# Altium PCB Copy of GameBoard_V1I1_083018.PcbDoc (part 20 of 21) (continued)
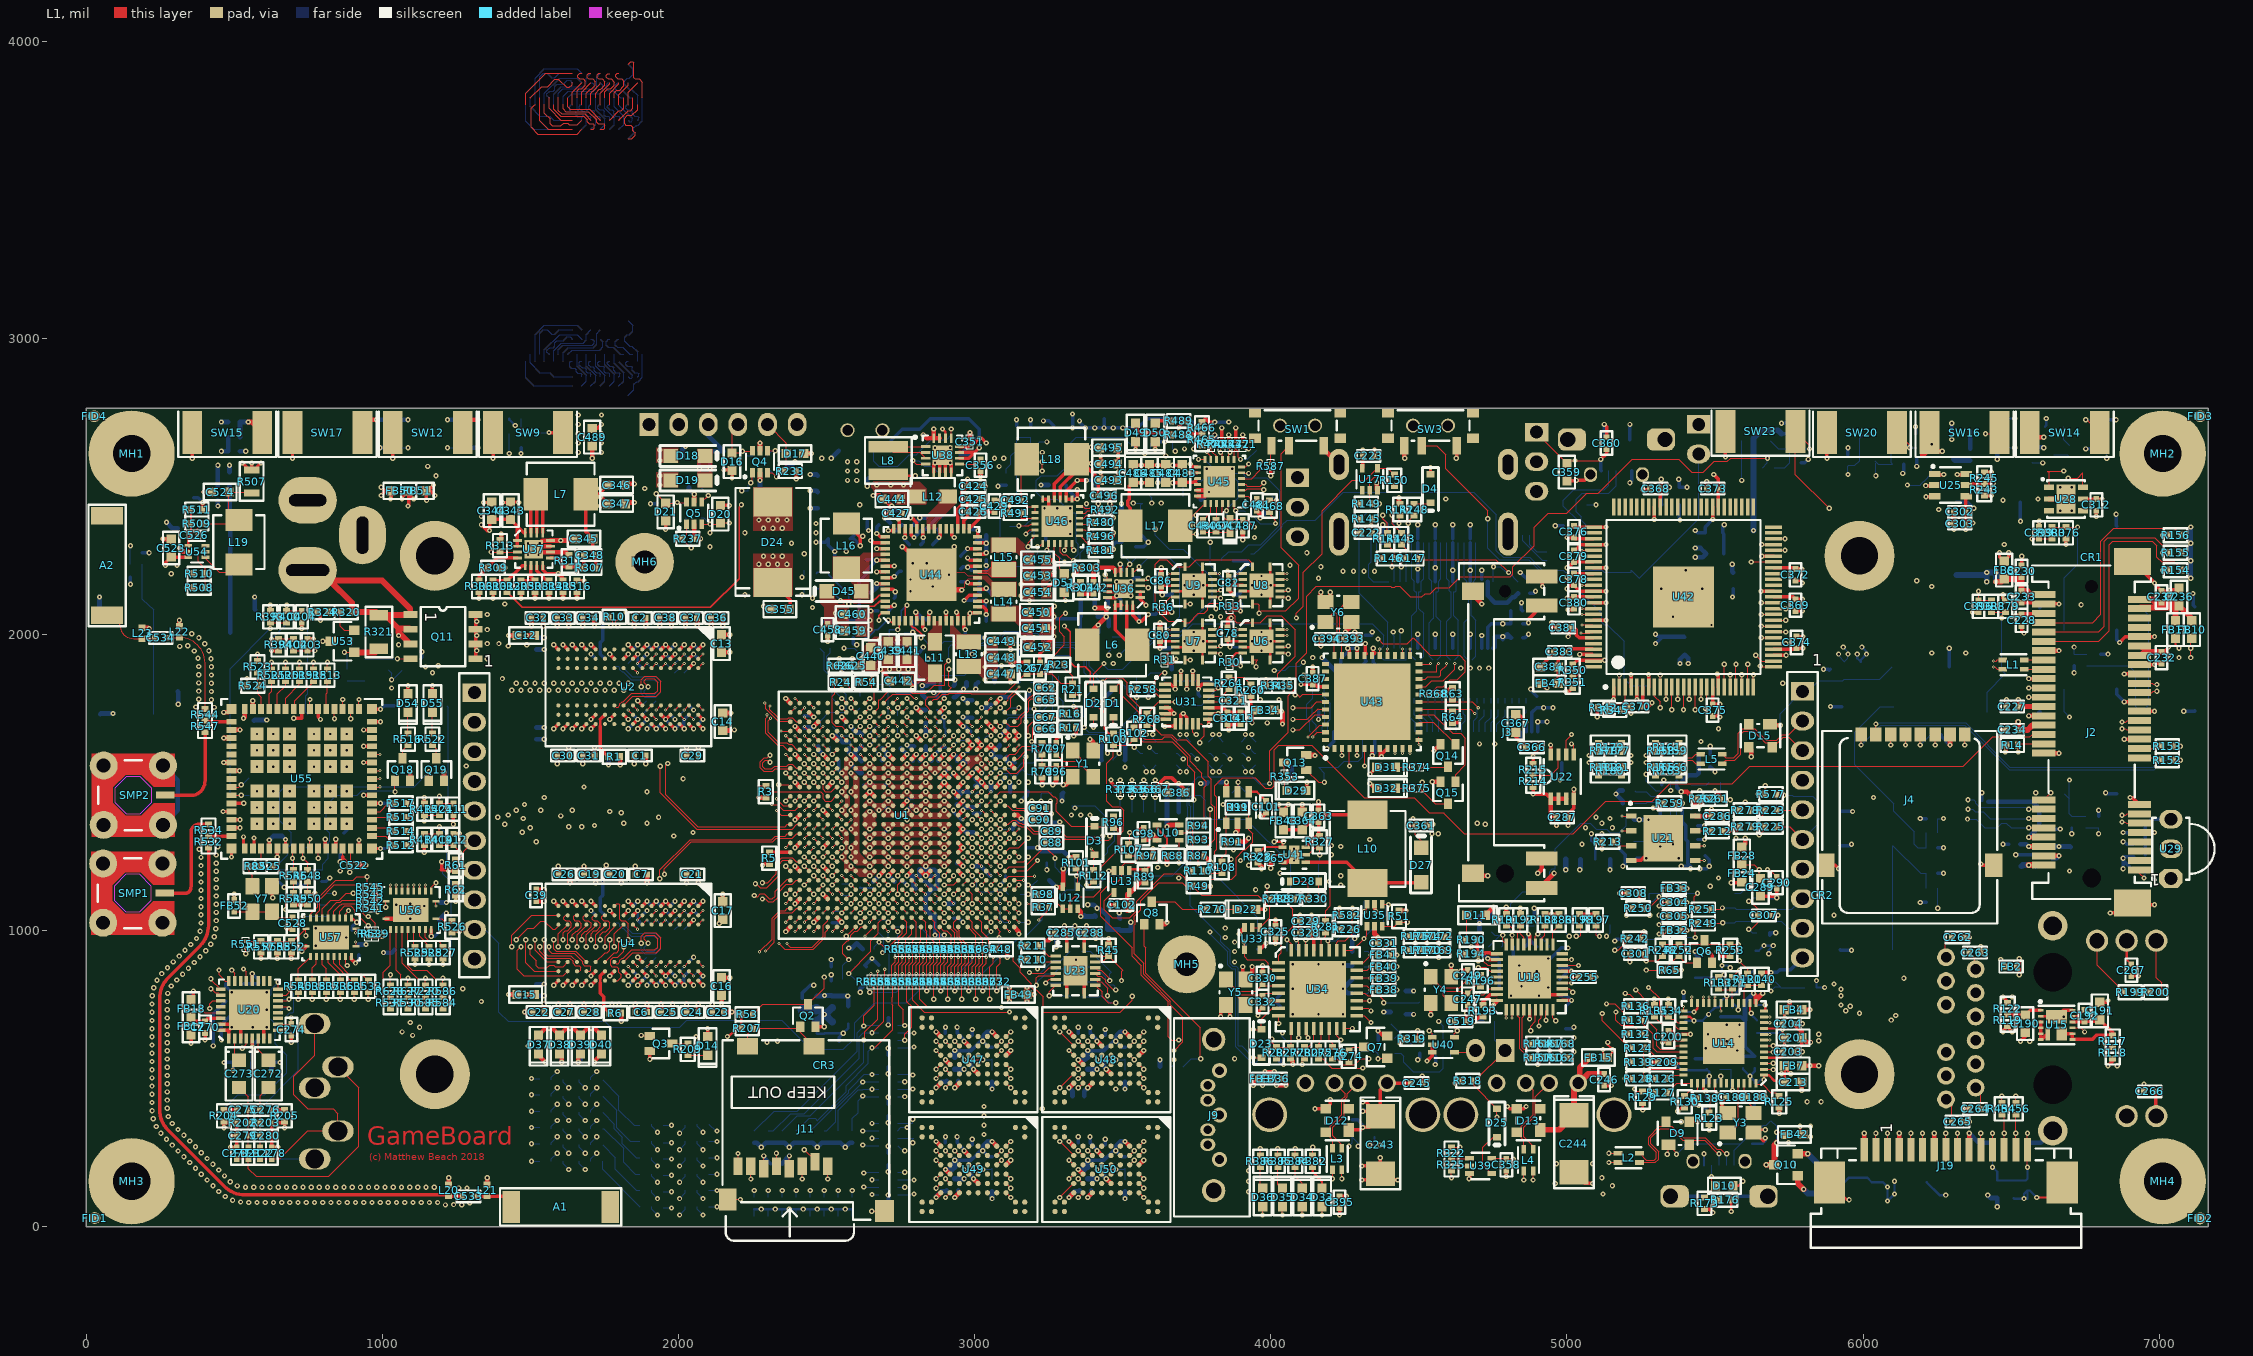
[diagram p0: L1 view]
## Nets (pads, with @x,y where several pads share a name; then routed paths per layer and width w, separated by ;. In a path a pad name is that pad's centre, name@x,y a point inside that pad or via, vN(x,y) a via of type N, cw(c..) or ccw(c..) an arc to the next point about the centre after c; other vN are vias at no path point) (continued)
  L12 w3.94: v1(1220.47,2629.92) C401.1@1251.97,2629.92 R401.1@1251.97,2673.23
USER_BTN_3_R: R399.1 R401.2 SW12.2 | length 177.2
  L1 w15.75: SW12.2@1271.65,2681.1 1271.65,2724.41 v1(1322.83,2724.41)
  L12 w15.75: R401.2@1291.34,2673.23 R399.1@1291.34,2724.41 v1(1322.83,2724.41)
USER_LED: Q17.1 U1.D19 | length 4647.4
  L1 w3.66: U1.D19@3039.37,1200.79 v3(3055.12,1185.04)
  L3 w3.94: v4(3066.93,1196.85) 3084.3,1196.85 3089.22,1201.77 3129.39,1201.77 3144.15,1216.54 3220.35,1216.54 3230.9,1227.09 3259.91,1227.09 3261.6,1225.39 3261.92,1225.39 3269.52,1217.8 3283.53,1217.8 3290.14,1224.41 3537.4,1224.41 3563.98,1197.83 3646.65,1197.83 3666.36,1217.54 3666.36,1236.49 3692.98,1263.1 3804.19,1263.1 3808.8,1258.49 3808.8,1239.64 3810.04,1238.4 3824.59,1238.4 3824.65,1238.35 3824.65,1228.54 3870.27,1182.91 3936.72,1182.91 3950.48,1169.15 4008.29,1169.15 4032.69,1144.76 4077.31,1144.76 4097.77,1165.22 4172.82,1165.22 4187.45,1150.59 4202.97,1150.59 4209.82,1157.44 4212.56,1157.44 4224.41,1169.29 4742.35,1169.29 4755.15,1156.5 5126.74,1156.5 5147.13,1176.89 5443.42,1176.89 5451.15,1169.15 5459.16,1177.17 v1(5511.81,1177.17)
  L10 w3.94: v1(5511.81,1177.17) 5625.98,1177.17 5653.54,1149.61 5881.89,1149.61 5933.07,1200.79 5933.07,1784.34 6141.59,1992.86 6141.59,2172.41 6158.46,2189.29 6158.46,2190.48 6171.73,2203.74 6172.92,2203.74 6173.23,2204.05 6173.23,2480.31 v1(6149.61,2503.94)
  L2 w3.94: v3(3055.12,1185.04) v4(3066.93,1196.85)
  L12 w3.94: v1(6149.61,2503.94) 6192.91,2503.94 6196.85,2507.87 6196.85,2508.08 6205.5,2516.73 6205.71,2516.73 6230.31,2541.34 Q17.1@6230.31,2564.96
USER_LED_1: R382.2 U1.N19 U34.30 | length 2849.3
  L1 w3.66: v2(2740.16,1185.04) U1.N19@2755.91,1200.79 ; v1(4118.11,968.5) 4118.11,935.04 U34.30@4120.08,933.07 ; R382.2@4141.73,232.28 R382.2@4141.73,240.16 v1(4141.73,267.72)
  L3 w3.66: v2(2740.16,1185.04) 2740.16,1192.91 2757.03,1209.78 2757.03,1222.59 2766.72,1232.28 2791.34,1232.28 2822.83,1263.78 2854.33,1263.78 2885.83,1295.28 2905.51,1295.28 2937.01,1263.78 3000,1263.78 3007.87,1271.65 3007.87,1287.4 3015.75,1295.28 3344.14,1295.28 3375.36,1264.06 3523.86,1264.06 3540.57,1247.34 3546.9,1247.34 3550.15,1244.09 3613.9,1244.09 3648.24,1278.44 3810.54,1278.44 3824.14,1264.84 3824.14,1258.18 3828.59,1253.73 3830.94,1253.73 3839.98,1244.7 3839.98,1234.89 3876.62,1198.25 3943.07,1198.25 3954.88,1186.44 4007.83,1186.44 4009.21,1187.81 4011.31,1187.81 4021.96,1177.17 4088.03,1177.17 4091.42,1180.55 4128.86,1180.55 4133.34,1185.04 v1(4236.22,1185.04)
  L10 w3.66: 4133.86,255.91 4141.73,263.78 v1(4141.73,267.72) 4141.73,326.77 4110.24,358.27 4110.24,401.57 4070.59,441.22 4070.59,532.62 4068.74,532.62 4060.18,541.19 4060.18,553.3 4068.74,561.87 4070.59,561.87 4070.59,577.95 4057.93,590.61 4057.93,644.55 4118.11,704.72 v1(4118.11,968.5) 4118.11,1005.94 4141.13,1028.96 4147,1028.96 4160.02,1041.98 4160.02,1047.85 4259.84,1147.67 4259.84,1161.42 v1(4236.22,1185.04)
USER_LED_2: R285.2 R384.2 U1.N20 | length 3021.6
  L1 w3.66: R384.2@4082.68,232.28 R384.2@4082.68,240.16 v1(4082.68,263.78)
  L1 w3.94: v2(2740.16,1122.05) 2740.16,1153.54 U1.N20@2755.91,1169.29
  L3 w3.94: v2(2740.16,1122.05) 2755.91,1137.8 2755.91,1155.48 2756.89,1156.46 2756.89,1168.31 2775.8,1168.31 2808.28,1200.79 2902.77,1200.79 2912.4,1191.15 2912.4,1178.15 2921.26,1169.29 3078.62,1169.29 3095.63,1186.3 3135.79,1186.3 3149.69,1200.2 3227.74,1200.2 3246.84,1181.1 3299.21,1181.1 3311.02,1169.29 3361.69,1169.29 3368.58,1176.18 3527.02,1176.18 3528.72,1174.49 3661.33,1174.49 3678.77,1191.93 3695.09,1191.93 3701,1186.02 3718.71,1186.02 3733.48,1200.79 3830.51,1200.79 3863.86,1167.44 3930.31,1167.44 3944.07,1153.68 3956.56,1153.68 3975.39,1134.84 4078.53,1134.84 4101.03,1157.34 4169.56,1157.34 4184.18,1142.72 4206.23,1142.72 4213.08,1149.57 4232.25,1149.57 v1(4236.22,1153.54)
  L10 w3.66: v1(4039.37,653.54) 4023.62,637.8 4023.62,614.17 4062.99,574.8 4062.99,566.86 4053.68,557.55 4049.37,561.87 4037.25,561.87 4028.68,553.3 4028.68,541.19 4037.25,532.62 4049.37,532.62 4053.68,536.93 4062.99,527.63 4062.99,508.87 4036.56,482.44 4036.56,451.63 4082.68,405.51 v1(4082.68,263.78) ; v1@4041.34,651.57 4098.43,708.66 4098.43,944.88 4101.24,947.7 4101.24,994.94 4110.51,1004.21 4110.51,1009.09 4137.98,1036.55 4143.85,1036.55 4152.42,1045.12 4152.42,1069.74 v1(4236.22,1153.54)
  L12 w3.66: v1(4039.37,653.54) 4039.37,641.73 4086.61,594.49 R285.2@4196.85,594.49
USER_LED_3: R286.2 R385.2 U1.T23 | length 2875.4
  L1 w3.66: U1.T23@2661.42,1074.8 v2(2677.16,1059.06) ; R385.2@4023.62,232.28 R385.2@4023.62,240.16 v1(4023.62,263.78)
  L3 w3.66: v2(2677.16,1059.06) 2677.16,1069.87 2662.54,1084.49 2662.54,1099.55 2669.29,1106.3 2685.04,1106.3 2724.41,1145.67 2724.41,1196.85 2748.03,1220.47 2748.03,1245.09 2765.6,1262.66 2790.22,1262.66 2822.83,1295.28 2861.21,1295.28 2892.7,1326.77 3263.78,1326.77 3283.46,1307.09 3343.07,1307.09 3370.91,1279.25 3483.41,1279.25 3491,1271.65 3527.01,1271.65 3542.76,1255.91 3610.24,1255.91 3640.37,1286.04 3813.69,1286.04 3847.58,1252.15 3847.58,1238.04 3879.77,1205.85 3946.22,1205.85 3958.03,1194.04 4004.68,1194.04 4011.43,1200.79 4023.62,1200.79 v1(4031.5,1192.91)
  L10 w3.66: v1(4023.62,263.78) 4002.84,263.78 3994.97,255.91 3917.32,333.55 3917.32,602.36 v1(3940.94,625.98) 3928.86,638.07 3928.86,648.82 3905.51,672.16 3905.51,693.91 3989.02,777.42 3994.42,777.42 4035.02,818.02 4035.02,880.37 3956.69,958.69 3956.69,1015.75 4027.56,1086.61 4027.56,1188.98 v1(4031.5,1192.91)
  L12 w3.66: v1(3940.94,625.98) R286.2@3968.5,625.98
USER_LED_4: R288.2 R386.2 U1.R23 | length 2710.1
  L1 w3.66: U1.R23@2692.91,1074.8 v2(2708.66,1059.06) ; R386.2@3964.57,232.28 R386.2@3964.57,240.16 v1(3964.57,263.78) ; v1(3988.19,1149.61) 3988.19,1118.11 R288.2@4000,1106.3
  L3 w3.66: v2(2708.66,1059.06) 2692.91,1074.8 2692.91,1095.49 2702.6,1105.18 2703.6,1105.18 2708.66,1110.24 2708.66,1119.18 2726.16,1136.67 2735.1,1136.67 2744.09,1145.67 2744.09,1168.29 2755.91,1180.1 2755.91,1189.98 2766.72,1200.79 2791.34,1200.79 2822.83,1232.28 2909.45,1232.28 2942.07,1199.67 2965.69,1199.67 3029.68,1199.67 3044.31,1185.04 3083.43,1185.04 3092.42,1194.04 3132.59,1194.04 3146.49,1207.93 3226.62,1207.93 3238.04,1219.35 3256.7,1219.35 3258.4,1217.66 3258.72,1217.66 3276.71,1199.67 3276.71,1198.67 3285.28,1190.1 3316.08,1190.1 3342.52,1216.54 3509.39,1216.54 3535.83,1190.1 3651.6,1190.1 3674.1,1212.6 3674.1,1233.28 ; 3675.22,1233.28 3675.22,1234.4 3684.91,1244.09 3772.96,1244.09 3772.96,1232.15 3795.05,1210.06 3832.18,1210.06 3867.07,1175.18 3933.51,1175.18 3947.27,1161.42 3976.38,1161.42 v1(3988.19,1149.61)
  L10 w3.66: v1(3964.57,263.78) 3956.69,263.78 3921.26,299.21 3921.26,318.87 3909.72,330.4 3909.72,605.51 3921.26,617.04 3921.26,645.67 3897.91,669.02 3897.91,697.06 3985.87,785.02 3991.28,785.02 4027.42,821.17 4027.42,877.22 4022.89,881.75 4016.48,881.75 3944.74,953.49 3944.74,1057.2 3956.56,1069.01 3956.56,1117.97 v1(3988.19,1149.61)
USER_LED_5: R387.2 U1.R20 | length 4455.8
  L1 w3.66: U1.R20@2692.91,1169.29 v2(2708.66,1153.54)
  L3 w3.66: v1(1102.36,645.67) 1153.54,645.67 1161.69,653.82 1164.56,653.82 1172.16,661.42 1307.09,661.42 1358.27,610.24 v1(1492.13,610.24)
  L10 w3.66: v1(1102.36,645.67) 1098.43,641.73 1003.94,641.73 920.14,725.53 920.14,773.77 917.32,776.59 917.32,846.46 937.01,866.14 937.01,910.38 993.13,966.5 993.94,965.69 1006.06,965.69 1014.63,974.26 1014.63,986.37 1013.81,987.19 1013.81,995.93 1059.06,1041.18 1059.06,1077.74 1061.87,1080.56 1061.87,1095.49 1059.06,1098.3 1059.06,1433.07 1094.17,1468.19 1094.17,1518.3 1096.68,1520.81 1100.55,1520.81 1200.79,1621.05 1200.79,1859.14 1224.27,1882.62 1224.27,1889.63 1244.09,1909.45 1341.52,1909.45 1348.27,1902.7 1371.2,1902.7 1401.57,1933.07 1488.19,1933.07 1511.81,1956.69 1527.56,1956.69 1544.43,1973.56 1553.3,1973.56 1561.87,1982.13 1561.87,1994.25 1559.06,1997.06 1583.68,1997.06 1607.7,2021.08 1607.7,2036.76 1620.72,2049.78 1636.4,2049.78 1735.53,2148.92 2155.86,2148.92 2178.49,2171.56 2271.2,2171.56 2317.62,2125.13 2317.62,2088.49 2481.02,1925.09 2481.02,1743.09 2486.52,1737.59 2486.52,1660.22 2509.63,1637.11 2544.93,1637.11 2565.33,1616.71 2591.88,1616.71 2621.98,1586.61 2657.49,1586.61 2692.91,1551.19 2692.91,1169.29 v2(2708.66,1153.54)
  L12 w3.66: v1(1492.13,610.24) 1511.81,629.92 R387.2@1527.56,629.92
USER_LED_6: R389.2 U1.R21 | length 4463.1
  L1 w3.66: v2(2677.17,1122.05) U1.R21@2692.91,1137.8
  L3 w3.66: v1(1125.98,673.23) 1137.8,673.23 1145.67,681.1 1330.71,681.1 1386.95,624.86 1498.18,624.86 1512.81,610.24 v1(1562.99,610.24)
  L10 w3.66: v1(1125.98,673.23) 1035.43,673.23 1031.5,669.29 947.7,753.09 946.7,753.09 937.01,762.78 937.01,844.65 952.2,859.85 952.2,873.46 956.69,877.95 956.69,908.58 998.61,950.49 1012.35,950.49 1034.16,972.3 1037.1,972.3 1049.05,984.25 1070.87,984.25 1112.07,1025.45 1112.07,1105.88 1110.24,1107.71 1110.24,1377.95 1170.41,1438.13 1170.41,1462.08 1183.59,1475.26 1183.92,1475.26 1224.27,1515.61 1224.27,1846.32 1260.12,1882.17 1409.72,1882.17 1437.01,1909.45 1637.8,1909.45 1657.48,1929.13 1657.48,2047.24 1743.96,2133.72 2162.15,2133.72 2184.79,2156.36 2264.9,2156.36 2302.42,2118.84 2302.42,2081.66 2465.82,1918.27 2465.82,1736.8 2471.32,1731.3 2471.32,1653.92 2503.33,1621.91 2538.64,1621.91 2560.45,1600.09 2560.45,1564.53 2578.29,1546.69 2591.1,1546.69 2629.92,1507.87 2629.92,1179.91 2654.99,1154.84 2654.99,1144.55 2668.17,1131.37 2668.17,1131.04 v2(2677.17,1122.05)
  L12 w3.66: v1(1562.99,610.24) 1582.68,629.92 R389.2@1598.43,629.92
USER_LED_7: R390.2 U1.U22 | length 4505.9
  L1 w3.94: U1.U22@2629.92,1106.3 v2(2645.67,1090.55)
  L3 w3.66: v1(1094.49,688.98) 1114.17,688.98 1122.05,696.85 1371.14,696.85 1435.53,632.46 1507.87,632.46 1514.35,625.98 1586.61,625.98 1602.36,610.24 v1(1633.86,610.24)
  L10 w3.94: v1(1094.49,688.98) 1043.31,688.98 967.52,764.76 967.52,773.83 960.63,780.72 960.63,870.95 964.43,874.75 964.43,905.37 1001.81,942.76 1015.56,942.76 1037.37,964.57 1062.93,964.57 1102,1003.64 1103.67,1003.64 1134.55,1034.52 1134.55,1068.98 1126.97,1076.56 1126.97,1088.79 1134.55,1096.37 1134.55,1168.6 1125.98,1177.17 1125.98,1382.76 1178.15,1434.93 1178.15,1458.87 1186.8,1467.52 1187.12,1467.52 1232.01,1512.41 1232.01,1838.31 1263.78,1870.08 1417.32,1870.08 1444.88,1897.64 1645.67,1897.64 1688.98,1940.94 1688.98,1972.44 1696.85,1980.31 1696.85,2051.18 1771.65,2125.98 2165.35,2125.98 2187.99,2148.62 2233.27,2148.62 2270.67,2111.22 2270.67,2082.31 2278.17,2074.8 2298.34,2074.8 2458.08,1915.06 2458.08,1761.1 2441.93,1744.95 2441.93,1672.37 2500.13,1614.17 2535.43,1614.17 2552.72,1596.89 2552.72,1561.33 2566.93,1547.12 2566.93,1519.68 2622.19,1464.43 2622.19,1166.41 2660.43,1128.16 2660.43,1108.58 2652.56,1100.7 2652.56,1097.44 v2(2645.67,1090.55)
  L12 w3.66: v1(1633.86,610.24) 1653.54,629.92 R390.2@1669.29,629.92
USER_LED_8: R391.2 U1.T20 | length 4655.6
  L1 w3.66: U1.T20@2661.42,1169.29 v2(2677.16,1153.54)
  L3 w3.66: v1(1066.93,657.48) 1066.93,685.04 1098.43,716.54 1362.2,716.54 1438.68,640.06 1513.05,640.06 1515.31,637.8 1677.17,637.8 v1(1704.72,610.24)
  L10 w3.66: v1(1066.93,657.48) 1011.81,657.48 927.74,741.55 927.74,776.92 925.2,779.46 925.2,843.59 944.61,862.99 944.61,907.24 995.46,958.09 1009.21,958.09 1031.02,979.9 1033.95,979.9 1074.53,1020.47 1074.53,1052.2 1066.93,1059.8 1066.93,1074.87 1080.85,1088.79 1080.85,1105.88 1086.61,1111.64 1086.61,1174.1 1101.77,1189.26 1101.77,1511.29 1208.39,1617.9 1208.39,1850.12 1248.03,1889.76 1405.51,1889.76 1437.01,1921.26 1555.12,1921.26 1583.8,1949.94 1584.8,1949.94 1593.37,1958.51 1593.37,1970.63 1590.55,1973.44 1590.55,1988.19 1615.3,2012.93 1615.3,2033.62 1623.86,2042.18 1639.54,2042.18 1738.68,2141.32 2159,2141.32 2181.64,2163.96 2268.05,2163.96 2310.02,2121.98 2310.02,2084.81 2473.42,1921.41 2473.42,1739.94 2478.92,1734.45 2478.92,1657.07 2506.48,1629.51 2541.78,1629.51 2568.05,1603.24 2568.05,1588.43 2576.62,1579.86 2608.11,1579.86 2641.86,1546.12 2651.73,1546.12 2662.54,1535.31 2662.54,1399.45 2665.35,1396.64 2665.35,1202.48 2662.54,1199.67 2662.54,1178.98 2677.16,1164.36 v2(2677.16,1153.54)
  L12 w3.66: v1(1704.72,610.24) 1724.41,629.92 R391.2@1740.16,629.92
USER_LED_CPU_D: D42.1 R413.1 | length 59.1
  L12 w15.75: R413.1@6362.2,2625.98 6362.2,2673.23 D42.1@6362.2,2685.04
USER_LED_CPU_Q: Q17.3 R413.2 | length 58.7
  L12 w15.75: Q17.3@6305.12,2590.55 6309.06,2586.61 R413.2@6362.2,2586.61
USER_LED_D_1: D33.1 R382.1 | length 80
  L1 w7.87: R382.1@4141.73,192.91 4141.73,184.17 4173.23,152.68 D33.1@4173.23,125.98
USER_LED_D_2: D34.1 R384.1 | length 76.7
  L1 w3.94: R384.1@4082.68,192.91 4082.68,170.24 4106.3,146.61 D34.1@4106.3,125.98
USER_LED_D_3: D35.1 R385.1 | length 73.5
  L1 w3.94: R385.1@4023.62,192.91 4023.62,141.73 D35.1@4039.37,125.98
USER_LED_D_4: D36.1 R386.1 | length 70.2
  L1 w3.94: R386.1@3964.57,192.91 3964.57,133.86 D36.1@3972.44,125.98
USER_LED_D_5: D37.1 R387.1 | length 82.6
  L1 w15.75: D37.1@1527.56,582.68 1527.56,578.74 v1(1551.18,555.12)
  L12 w15.75: R387.1@1527.56,590.55 1527.56,578.74 v1(1551.18,555.12)
USER_LED_D_6: D38.1 R389.1 | length 69.5
  L1 w15.75: D38.1@1598.43,582.68 1606.3,574.8 v1(1606.3,555.12)
  L12 w3.94: R389.1@1598.43,590.55 1598.43,562.99 v1(1606.3,555.12)
USER_LED_D_7: D39.1 R390.1 | length 69.5
  L1 w15.75: v1(1661.42,555.12) 1661.42,574.8 D39.1@1669.29,582.68
  L12 w15.75: v1(1661.42,555.12) 1669.29,562.99 R390.1@1669.29,590.55
USER_LED_D_8: D40.1 R391.1 | length 82.6
  L1 w11.81: v1(1716.54,555.12) 1716.54,559.06 D40.1@1740.16,582.68
  L12 w3.94: v1(1716.54,555.12) 1740.16,578.74 R391.1@1740.16,590.55
USER_LED_MCU: Q8.1 R273.1 U34.3 | length 1042.3
  L1 w3.66: Q8.1@3572.83,1021.65 3572.83,947.16 3578.74,941.26 3578.74,855.2 3761.95,671.99 3761.95,568.76 v1(3763.78,566.93) ; v1(3996.06,838.58) 4025.59,838.58 U34.3@4026.57,839.57
  L10 w3.66: v1(3763.78,566.93) 3830.71,566.93 3877.95,614.17 3877.95,720.47 v1(3996.06,838.58)
  L12 w3.66: R273.1@3704.72,539.37 3732.28,566.93 v1(3763.78,566.93)
USER_LED_MCU_D: D22.1 R270.1 | length 63
  L1 w3.94: R270.1@3822.83,1070.87 D22.1@3885.83,1070.87
VBUS2: R468.1 R469.1 R493.2 U46.1 | length 1101.7
  L1 w3.94: v1(3212.6,2295.28) 3218.5,2295.28 U46.1@3230.32,2307.09 ; R468.1@3996.06,2405.51 4015.75,2385.83 v1(4015.75,2374.02)
  L3 w3.94: v1(3212.6,2295.28) 3228.35,2311.02 3408.89,2311.02 3446.5,2348.64 3453.74,2348.64 3475.18,2370.08 3727.15,2370.08 3741.92,2384.84 3943.12,2384.84 3969.7,2358.27 4000,2358.27 v1(4015.75,2374.02)
  L12 w3.94: R493.2@3208.66,2267.72 3212.6,2271.65 v1(3212.6,2295.28) ; R469.1@3929.13,2460.63 3937.01,2452.76 3937.01,2401.57 3964.57,2374.02 v1(4015.75,2374.02)
VPP/MCLR: R368.1 TP56.1 U1.F17 U43.18 | length 2682.5
  L1 w3.66: U1.F17@2976.38,1263.78 v2(2992.13,1248.03) ; v1(4362.2,1984.25) 4377.95,1968.5 4460.63,1968.5 4480.31,1988.19 4539.37,1929.13 4637.8,1929.13 4657.48,1909.45 4657.48,1874.02 4629.92,1846.46 4606.3,1846.46 4582.68,1822.83 4562.99,1822.83 4535.43,1795.28 4501.97,1795.28 U43.18@4500,1797.24
  L10 w3.66: 2986.03,1296.4 2998.18,1296.4 3006.75,1304.97 3006.75,1380.77 3033.17,1407.19 3035.97,1407.19 3050.05,1421.26 3162.42,1421.26 3172.11,1430.95 3172.11,1435.76 3187.98,1451.63 3255.65,1451.63 3281.52,1477.5 3305.27,1477.5 3313.84,1486.07 3345.88,1486.07 3443.61,1583.8 3454.88,1583.8 3463.44,1592.37 3463.44,1597.3 3480.31,1614.17 3496.06,1614.17 3535.43,1574.8 3673.23,1574.8 3690.1,1557.93 3773.47,1557.93 3808.9,1593.37 3821.02,1593.37 3850.27,1564.11 3857.47,1564.11 3900.78,1520.81 3940.35,1520.81 3942.08,1520.81 3950.65,1529.37 3950.65,1533.33 3980.31,1562.99 3980.31,1685.04 3973.56,1691.79 3973.56,1713.72 3989.31,1729.47 3989.31,1762.1 3996.2,1768.99 3996.2,1837.72 3998.88,1840.4 3998.88,1852.51 3997.59,1853.8 3997.59,1863.74 v1(4011.81,1877.95) ; 2986.03,1296.43 2977.5,1287.9 2977.5,1273.47 2992.13,1258.84 v2(2992.13,1248.03) ; v1(4110.24,1905.51) 4110.24,1913.39 4137.8,1940.94 4250.97,1940.94 4253.78,1938.13 4265.9,1938.13 4268.72,1940.94 4282.47,1940.94 4285.28,1938.13 4352.51,1938.13 4374.02,1959.63 4362.2,1971.44 v1(4362.2,1984.25)
  L12 w3.66: v1(4011.81,1877.95) 4048.23,1877.95 TP56.1@4062.99,1892.72 4097.44,1892.72 v1(4110.24,1905.51)
WD_OUT: R94.1 U1.T2 | length 1833
  L1 w3.94: U1.T2@2661.42,1736.22 2677.17,1751.97 2677.17,1779.53 2681.1,1779.53 2708.92,1807.35 2782.01,1807.35 2789.16,1800.2 2835.63,1800.2 2862.98,1827.55 2898.41,1827.55 2898.62,1827.76 2898.62,1897.69 v1(2911.88,1910.95) ; v1(3433.07,1838.58) 3447.83,1853.35 3498.24,1853.35 3515.75,1835.84 3515.75,1795.28 3564.96,1746.06 3564.96,1655.3 3574.59,1645.67 3633.86,1645.67 3641.58,1653.39 3662.09,1653.39 3727.36,1588.12 3727.36,1570.73 3767.72,1530.37 3767.72,1516.94 3782.48,1502.18 3782.48,1489.95 3775.59,1483.06 R94.1@3775.59,1354.33
  L12 w3.94: v1(2911.88,1910.95) 2911.88,1955.19 2921.26,1964.57 2958.86,1964.57 2960.83,1962.6 3031.3,1962.6 3033.27,1964.57 3074.28,1964.57 3095.08,1985.36 3095.08,1992.84 3105.19,2002.95 3175.41,2002.95 3178.36,2000 3191.72,2000 3194.67,2002.95 3211.61,2002.95 3250.68,1963.89 3355.01,1963.89 3377.95,1940.94 3377.95,1885.83 3425.2,1838.58 v1(3433.07,1838.58)
WIFI_CLK: R538.1 R572.2 R573.2 | length 1412.9
  L1 w3.94: v1(763.78,767.72) R538.1@763.78,791.34
  L3 w3.66: v1(763.78,767.72) 775.87,779.8 775.87,782.67 792.13,798.94 795,798.94 807.09,811.02 905.51,811.02 929.13,787.4 929.13,763.78 937.28,755.63 944.16,755.63 945.16,754.63 945.16,697.13 1003.66,638.62 1003.66,409.72 1098.15,315.24 1240.43,315.24 1347.03,421.83 1347.03,453.39 1408.27,514.63 1544.43,514.63 v1(1590.55,468.5)
  L12 w3.66: R572.2@1570.87,440.94 1570.87,448.82 v1(1590.55,468.5)
WIFI_CMD: R540.1 R570.2 R571.2 | length 1447.1
  L1 w3.94: v1(716.54,767.72) R540.1@716.54,791.34
  L3 w3.66: v1(716.54,767.72) 724.41,759.84 750.97,759.84 757.72,753.09 769.84,753.09 783.46,766.72 783.46,779.53 795.28,791.34 811.02,791.34 938.11,664.25 938.11,471.66 980.87,428.91 980.87,379.53 1067.96,292.44 1088.71,292.44 1105.28,275.87 1243.3,275.87 1369.82,402.38 1369.82,418.4 1385.42,434 1439.02,434 1569.87,303.15 v1(1590.55,303.15)
  L12 w3.66: R570.2@1570.87,275.59 1570.87,283.46 v1(1590.55,303.15)
WIFI_DATA0: R537.1 R562.2 R563.2 | length 1343.4
  L1 w3.94: v1(811.02,767.72) R537.1@811.02,791.34
  L3 w3.66: v1(811.02,767.72) 930.51,648.23 930.51,468.52 973.27,425.76 973.27,361.38 1066.38,268.27 1246.45,268.27 1263.03,284.84 1273.03,284.84 1377.42,389.23 1377.42,415.25 1388.56,426.4 1566.93,248.03 v1(1590.55,248.03)
  L12 w3.66: R562.2@1570.87,220.47 1570.87,228.35 v1(1590.55,248.03)
WIFI_DATA1: R536.1 R564.2 R565.2 | length 1260.7
  L1 w3.94: v1(858.27,767.72) R536.1@858.27,791.34
  L3 w3.66: v1(858.27,767.72) 929.96,696.02 929.96,690.83 945.71,675.08 945.71,474.81 988.46,432.05 988.46,382.68 1071.1,300.04 1091.86,300.04 1108.43,283.46 1240.16,283.46 1362.22,405.53 1362.22,438.27 1365.54,441.59 1483.6,441.59 1566.93,358.27 v1(1590.55,358.27)
  L12 w3.66: R564.2@1570.87,330.71 1570.87,338.58 v1(1590.55,358.27)
WIFI_DATA2: R535.1 R566.2 R567.2 | length 1216.8
  L1 w3.94: v1(905.51,767.72) R535.1@905.51,791.34
  L3 w3.66: v1(905.51,767.72) 937.56,735.67 937.56,693.98 996.06,635.47 996.06,385.83 1074.25,307.64 1243.58,307.64 1354.63,418.68 1354.63,450.24 1376.83,472.44 1511.81,472.44 1570.87,413.39 v1(1590.55,413.39)
  L12 w3.66: R566.2@1570.87,385.83 1570.87,393.7 v1(1590.55,413.39)
WIFI_DATA3: R533.1 R568.2 R569.2 | length 1126.6
  L1 w3.94: v1(952.76,767.72) R533.1@952.76,791.34
  L3 w3.66: v1(952.76,767.72) 952.76,700.27 1011.26,641.77 1011.26,441.5 1129.92,322.83 1214.55,322.83 1339.43,447.72 1339.43,456.53 1406.52,523.62 v1(1590.55,523.62)
  L12 w3.66: R568.2@1570.87,496.06 1570.87,503.94 v1(1590.55,523.62)
WIFI_EXT_32K_CLK: R83.2 R525.2 U55.36 | length 60
  L1 w3.94: R83.2@590.55,1216.54 U55.36@590.55,1276.57
WIFI_IRQ: U1.W5 U57.18 | length 3008
  L1 w3.66: v3(2551.18,1657.48) U1.W5@2566.93,1641.73
  L1 w3.94: U57.18@875.98,911.42 875.98,887.8 v1(881.89,881.89)
  L3 w3.94: v1(1145.67,1889.76) 1169.29,1913.39 1322.83,1913.39 1346.46,1937.01 1361.33,1937.01 1378.94,1954.61 1378.94,1974.62 1395.69,1991.37 1401.59,1991.37 1421.05,2010.83 1428.32,2010.83 1464.87,2047.38 1952.16,2047.38 1968.05,2063.27 2157.71,2063.27 2177.67,2043.31 2347.33,2043.31 2362.2,2028.43 2373.15,2028.43 2377.95,2023.62 2380.93,2023.62 2401.57,2002.97 2401.57,1972.64 2535.43,1838.78 2535.43,1807.09 2527.56,1799.21 2527.56,1696.85 2543.31,1681.1 2543.31,1645.67 v4(2551.18,1637.8)
  L10 w3.94: v1(881.89,881.89) 881.89,924 943.12,985.24 965.39,985.24 983.27,1003.11 983.27,1025.38 1035.43,1077.55 1032.48,1080.5 1032.48,1092.73 1035.43,1095.68 1035.43,1120.31 1051.32,1136.19 1051.32,1436.28 1071.14,1456.1 1071.14,1468.5 1074.8,1472.17 1074.8,1664.68 1145.67,1735.54 1145.67,1855.01 1141.73,1858.94 1141.73,1885.83 v1(1145.67,1889.76)
  L2 w3.94: v4(2551.18,1637.8) v3(2551.18,1657.48)
WL_EN: Q19.1 R546.2 R553.1 R555.1 U55.40 | length 1026.7
  L1 w3.94: R546.2@700.79,1204.72 700.79,1240.16 v1(696.85,1244.09) 696.85,1272.64 U55.40@700.79,1276.57 ; Q19.1@1156.89,1505.96 1157.48,1506.56 v1(1157.48,1535.43)
  L12 w3.94: v1(696.85,1244.09) 696.85,1208.66 R553.1@700.79,1204.72 649.61,1204.72 649.61,1224.41 681.1,1255.91 681.1,1279.53 692.91,1291.34 692.91,1330.71 653.54,1370.08 653.54,1468.5 670.28,1485.24 1107.28,1485.24 v1(1157.48,1535.43)
WL_EN_D: Q19.3 R522.2 | length 50.7
  L1 w3.94: R522.2@1169.29,1625.98 1182.48,1612.8 Q19.3@1182.48,1580.77
WL_EN_LED: D55.1 R522.1 | length 70.9
  L1 w3.94: R522.1@1169.29,1665.35 D55.1@1169.29,1736.22
WL_IRQ: R523.2 U57.3 | length 1066.4
  L1 w3.94: R523.2@578.74,1909.45 v1(578.74,1933.07) ; U57.3@875.98,1041.34 875.98,1057.09 v1(885.83,1066.93)
  L10 w3.94: v1(578.74,1933.07) 578.74,1807.09 728.35,1657.48 728.35,1374.02 770.67,1331.69 770.67,1302.94 767.72,1299.99 767.72,1236.22 791.34,1212.6 791.34,1131.89 856.3,1066.93 v1(885.83,1066.93)
WL_RX: TP58.1 U55.26 | length 73.1
  L1 w3.94: U55.26@491.14,1484.25 515.75,1484.25 v1(523.62,1492.13)
  L12 w3.94: v1(523.62,1492.13) 527.56,1492.13 TP58.1@551.18,1515.75
WL_SDIO_CLK: R543.1 U55.8 U57.8 | length 1141.9
  L1 w3.94: U55.8@755.91,1747.05 v1(755.91,1779.53) ; U57.8@777.56,1041.34 777.56,1057.09 789.37,1068.9 789.37,1104.33 838.58,1153.54 v1(921.26,1153.54) 921.26,1149.61 R543.1@948.82,1122.05
  L10 w3.94: v1(755.91,1779.53) 807.09,1830.71 858.27,1830.71 899.11,1789.86 899.11,1750.49 913.39,1736.22 913.39,1377.95 944.88,1346.46 944.88,1267.72 921.26,1244.09 v1(921.26,1153.54)
WL_SDIO_CMD: R513.2 R545.1 U57.9 | length 1161.7
  L1 w3.94: U57.9@757.87,1041.34 757.87,1057.09 781.5,1080.71 781.5,1108.27 842.52,1169.29 901.57,1169.29 913.39,1181.1 v1(948.82,1181.1) R545.1@948.82,1145.67 ; R513.2@814.96,1881.89 v1(814.96,1905.51)
  L10 w3.94: v1(814.96,1905.51) 870.08,1905.51 968.5,1807.09 968.5,1211.92 953.69,1197.11 953.69,1185.97 v1(948.82,1181.1)
WL_SDIO_D0: R518.2 R542.1 U57.7 | length 1152.5
  L1 w3.94: R518.2@767.72,1881.89 v1(767.72,1905.51) ; U57.7@797.24,1041.34 797.24,1072.83 826.77,1102.36 854.33,1102.36 877.95,1125.98 v1(901.57,1125.98) 921.26,1125.98 R542.1@948.82,1098.43
  L10 w3.94: v1(767.72,1905.51) 767.72,1838.58 732.28,1803.15 732.28,1775.59 759.84,1748.03 830.71,1748.03 901.57,1677.17 901.57,1330.71 906.5,1325.79 906.5,1299 909.45,1296.05 909.45,1177.17 901.57,1169.29 v1(901.57,1125.98)
WL_SDIO_D1: R519.2 R541.1 U57.6 | length 1146.1
  L1 w3.94: R519.2@720.47,1881.89 v1(720.47,1905.51) ; U57.6@816.93,1041.34 816.93,1064.96 846.46,1094.49 857.59,1094.49 865.47,1102.36 v1(921.26,1102.36) R541.1@948.82,1074.8
  L10 w3.94: v1(720.47,1905.51) 720.47,1794.6 714.57,1788.69 714.57,1753.94 724.41,1744.09 779.53,1688.98 842.52,1688.98 858.27,1673.23 858.27,1338.58 874.02,1322.83 874.02,1129.25 900.9,1102.36 v1(921.26,1102.36)
WL_SDIO_D2: R520.2 R539.1 U57.5 | length 1258.6
  L1 w3.94: R520.2@673.23,1881.89 v1(673.23,1905.51) ; U57.5@836.61,1041.34 836.61,1064.96 858.27,1086.61 860.85,1086.61 864.79,1090.55 909.45,1090.55 925.2,1074.8 925.2,1066.93 944.88,1047.24 948.82,1051.18 v1(952.76,1047.24) 976.38,1023.62 R539.1@976.38,1000
  L10 w3.94: v1(673.23,1905.51) 673.23,1814.96 706.69,1781.5 706.69,1750.68 716.54,1740.83 728.35,1729.02 728.35,1679.75 744.09,1664 744.09,1657.48 767.72,1633.86 791.34,1633.86 807.09,1618.11 807.09,1338.58 822.83,1322.83 822.83,1212.6 866.14,1169.29 866.14,1125.98 905.51,1086.61 929.13,1086.61 952.76,1062.99 v1(952.76,1047.24)
WL_SDIO_D3: R43.1 R521.2 U57.4 | length 1253.3
  L1 w3.94: R521.2@625.98,1881.89 v1(625.98,1905.51) ; U57.4@856.3,1041.34 856.3,1064.96 874.02,1082.68 893.7,1082.68 909.45,1066.93 909.45,1059.06 v1(952.76,1015.75) R43.1@952.76,1000
  L10 w3.94: v1(625.98,1905.51) 625.98,1830.71 698.82,1757.87 698.82,1747.41 708.66,1737.57 720.47,1725.76 720.47,1676.49 736.22,1660.74 736.22,1653.54 744.09,1645.67 744.09,1539.37 791.34,1492.13 791.34,1287.4 803.15,1275.59 803.15,1137.8 859.25,1081.69 891.94,1081.69 900.59,1073.04 900.59,1056.1 914.37,1042.32 919.5,1042.32 928.15,1033.67 928.15,1028.54 940.94,1015.75 v1(952.76,1015.75)
WL_TX: TP57.1 U55.27 | length 60
  L1 w3.94: U55.27@491.14,1456.69 v1(523.62,1456.69)
  L12 w3.94: v1(523.62,1456.69) TP57.1@551.18,1456.69
WL_UART_DBG: TP60.1 U55.42 | length 66.9
  L1 w3.94: U55.42@755.91,1276.57 v1(755.91,1309.06)
  L12 w3.94: TP60.1@744.09,1279.53 755.91,1291.34 v1(755.91,1309.06)
XTAL_32K_CLK: R83.1 Y7.3 | length 71
  L1 w3.94: R83.1@551.18,1216.54 551.18,1196.85 561.02,1187.01 Y7.3@561.02,1149.61
XTALOSC_REF_CLK_32K: U1.R5 U57.20 | length 3766.4
  L1 w3.66: U1.R5@2692.91,1641.73 v3(2708.66,1657.48)
  L1 w3.94: v3(909.45,960.63) 911.42,958.66 U57.20@911.42,946.85
  L3 w3.94: v4(895.67,948.82) 937.01,990.16 937.01,1036.63 891.94,1081.69 847.44,1081.69 823.82,1105.31 823.82,1138.78 867.13,1182.09 902.56,1182.09 905.51,1185.04 905.51,1346.46 917.32,1358.27 917.32,1414.06 914.37,1417.01 914.37,1466.07 917.32,1469.02 917.32,1712.6 1012.8,1808.07 1012.8,1986.22 1058.07,2031.5 1275.07,2031.5 1309.52,2065.94 1328.37,2065.94 1356.92,2094.49 1374.02,2094.49 1397.64,2118.11 1397.64,2133.86 1417.32,2153.54 1437.57,2153.54 1451.96,2167.94 1673.39,2167.94 1674.99,2166.34 1689.96,2166.34 1783.46,2259.84 1783.46,2307.09 1834.65,2358.27 1921.26,2358.27 1964.57,2314.96 2061.8,2314.96 2068.69,2308.07 2087.27,2308.07 2106.96,2327.76 2392.04,2327.76 2439.96,2279.84 2439.96,2241.92 2433.07,2235.03 2433.07,2227.67 2457.52,2203.22 2457.52,2152.56 2475.39,2134.69 2475.39,2115.68 2511.81,2079.26 2511.81,2031.5 2519.68,2023.62 2570.19,2023.62 2606.61,1987.2 2611.74,1987.2 2625,1973.94 2625,1941.93 2637.8,1929.13 2637.8,1847.05 2669.88,1814.96 2669.88,1724.38 2675.45,1718.81 2677.17,1717.09 2677.17,1692.91 2669.29,1685.04 2669.29,1653.54 2677.16,1645.67 v4(2696.85,1645.67)
  L2 w3.94: v4(895.67,948.82) 897.64,948.82 v3(909.45,960.63) ; v4(2696.85,1645.67) v3(2708.66,1657.48)
ZQPAD: R5.1 U1.AE17 | length 66.9
  L1 w11.81: R5.1@2311.02,1263.78 U1.AE17@2377.95,1263.78